# Allegro board 1155000-zp-dic_pda_8ch_board_v002.brd (continued)
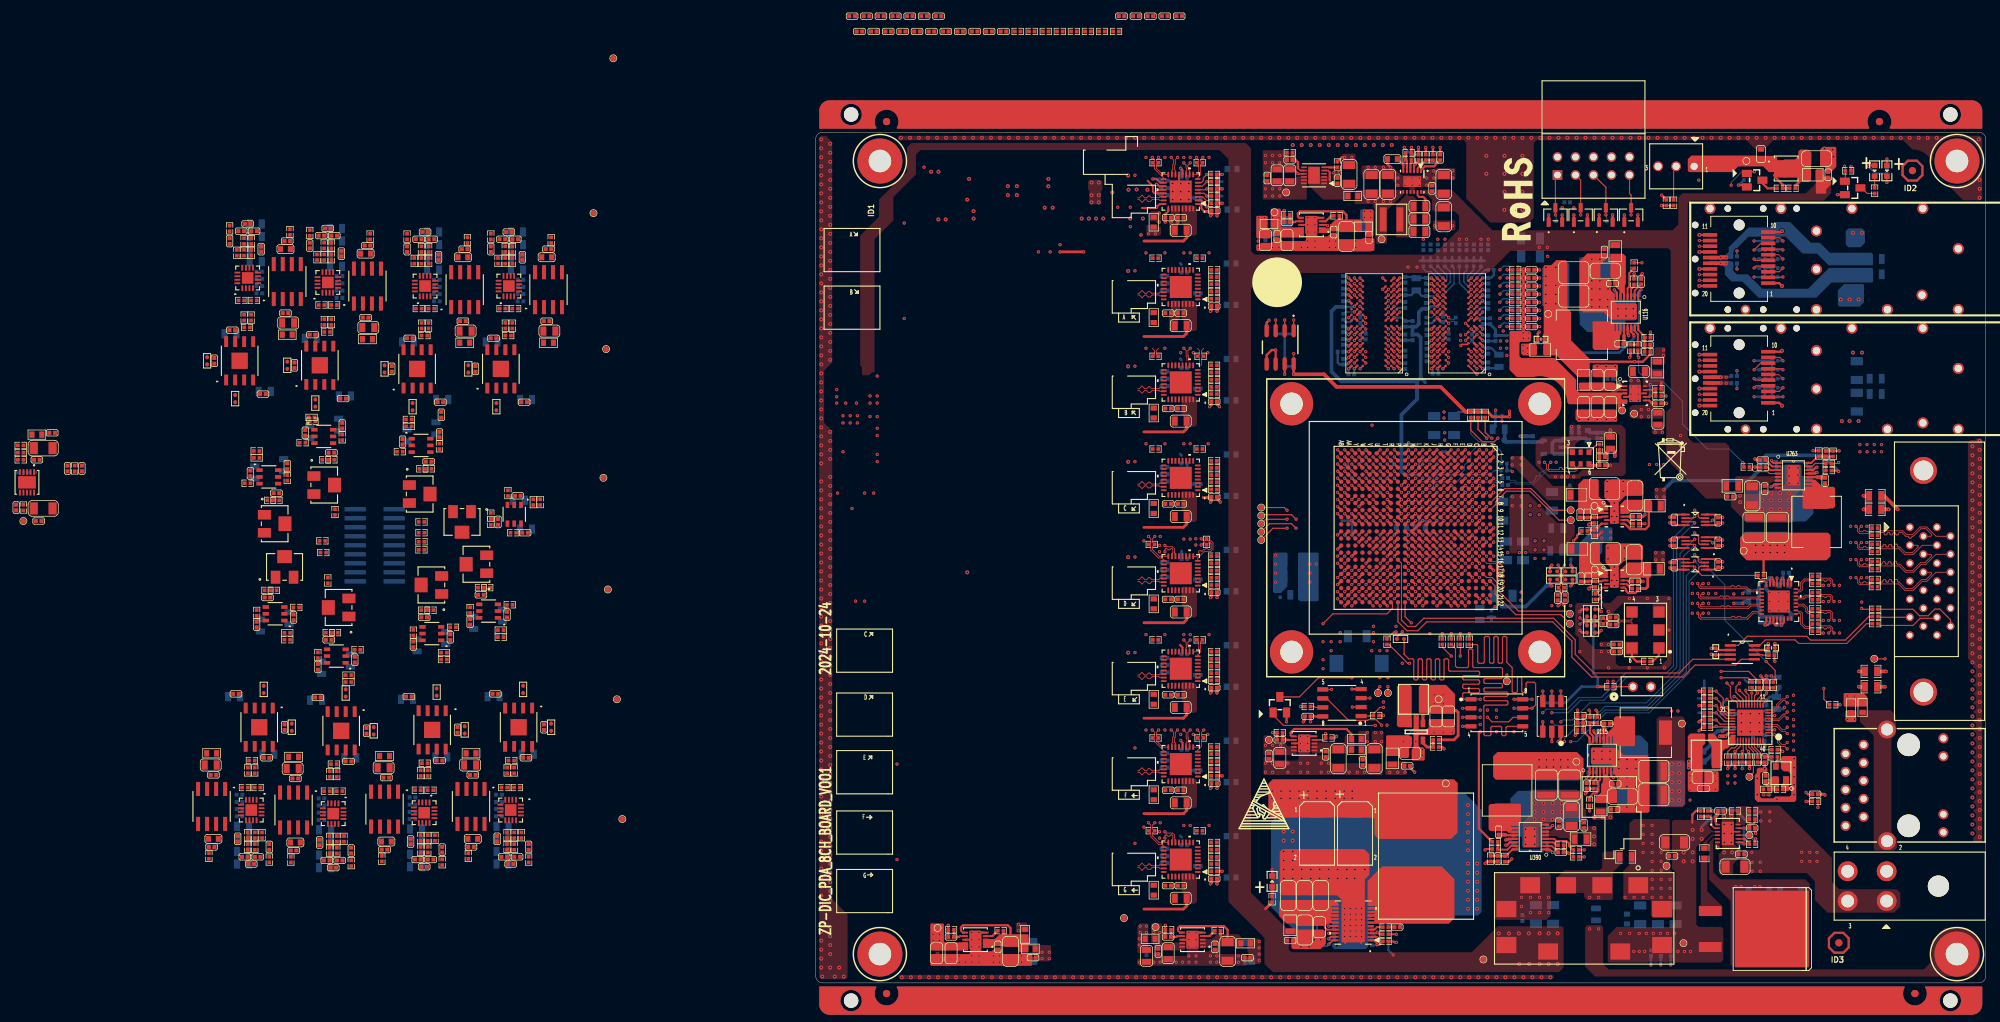
[diagram p0: board, top side]
## Routing (per net, layer and track width the routed paths; a pad name or vN(x,y) marks a point on that pad's centre or on a via; arc(x,y) is an arc through that point) (continued)
ADC3_DATA_P: length 82.5
  TOP w0.102: 52.35,87.79 52.35,88.3 52.24,88.41 52.24,89.19 v1(51.91,89.52) ; U1.G15 v1(89.6,60.19)
  ART03 w0.102: v1(89.6,60.19) 89.31,60.19 89.21,60.29 89.21,60.57 88.98,60.8 73.3,60.8 73.2,60.9 69.32,60.9 68.47,61.75 66.32,61.75 63.55,64.52 63.55,75.69 59.9,79.33 59.9,79.48 60.62,80.19 60.62,80.67 60.1,81.2 59.62,81.2 58.9,80.48 58.75,80.48 58.47,80.77 58.47,80.92 59.57,82.01 59.57,82.49 59.04,83.02 58.56,83.02 57.71,82.17 56.16,82.17 56.05,82.27 56.05,83.77 56.16,83.87 59.17,83.87 59.51,84.21 59.51,85.77 59.17,86.11 56.16,86.11 56.05,86.21 56.05,86.61 57.07,87.63 59.02,87.63 59.36,87.97 59.36,88.59 56.48,91.47 53.52,91.47 52.16,90.11 52.16,89.77 v1(51.91,89.52)
ADC3_DCO_N: length 77.8
  TOP w0.102: U1.D16 v1(92.6,60.19)
  ART03 w0.102: 51.03,89.52 50.89,89.52 50.78,89.62 50.78,89.91 53.05,92.18 57.04,92.18 57.68,91.55 57.68,91.27 57.82,91.12 58.1,91.12 58.25,90.97 58.25,90.69 58.4,90.54 58.68,90.54 58.83,90.4 58.83,90.12 58.97,89.97 59.25,89.97 61.36,87.86 61.36,87.32 61.26,87.22 60.46,87.22 60.12,86.88 60.12,86.14 60.46,85.8 61.26,85.8 61.36,85.69 61.36,85.29 61.26,85.19 60.46,85.19 60.12,84.85 60.12,84.1 60.46,83.76 61.26,83.76 61.36,83.66 61.36,83.26 61.26,83.15 60.58,83.15 60.24,82.82 60.24,82.07 60.58,81.73 61.26,81.73 61.36,81.63 61.36,78.83 64.16,76.03 64.16,64.98 66.15,62.99 66.38,62.99 66.48,62.89 66.48,62.84 66.59,62.74 66.79,62.74 66.89,62.84 66.89,62.89 66.99,62.99 67.2,62.99 67.3,62.89 67.3,62.84 67.4,62.74 67.6,62.74 67.7,62.84 67.7,62.89 67.81,62.99 68.18,62.99 69.68,61.49 73.27,61.49 73.37,61.59 82.37,61.59 83.37,62.59 89.82,62.59 90,62.41 90,60.82 90.23,60.59 92.5,60.59 92.6,60.49 v1(92.6,60.19)
ADC3_DCO_P: length 77.1
  TOP w0.102: U1.D15 v1(92.6,61.19)
  ART03 w0.102: 50.14,89.52 50.38,89.76 50.38,90.08 52.88,92.58 57.21,92.58 61.77,88.03 61.77,87.15 61.43,86.81 60.63,86.81 60.52,86.71 60.52,86.3 60.63,86.2 61.43,86.2 61.77,85.86 61.77,85.12 61.43,84.78 60.63,84.78 60.52,84.68 60.52,84.27 60.63,84.17 61.43,84.17 61.77,83.83 61.77,83.09 61.43,82.75 60.75,82.75 60.65,82.65 60.65,82.24 60.75,82.14 61.43,82.14 61.77,81.8 61.77,78.99 64.56,76.2 64.56,65.15 66.32,63.4 68.35,63.4 69.85,61.9 73.27,61.9 73.37,61.8 82.29,61.8 83.29,62.79 89.91,62.79 90.2,62.5 90.2,60.91 90.32,60.79 92.21,60.79 v1(92.6,61.19)
ADC3_IN+: length 4.3
  TOP w0.102: U372.23 48.53,83.46 48.4,83.58 47.46,83.58 47.17,83.29 46.9,83.29 46.63,83.57 46.4,83.57 46.02,83.19 45.64,83.57 45.41,83.57
ADC3_IN-: length 4.3
  TOP w0.102: 45.41,83.82 45.64,83.82 46.02,84.2 46.4,83.82 46.68,83.82 46.95,84.09 47.12,84.09 47.38,83.84 48.4,83.84 48.53,83.96 U372.22
ADC3_VIO: length 0.3
  BOTTOM w0.381: 51.59,87.86 51.4,88.06
ADC3_VREF: length 7.3
  TOP w0.381: 46.29,77.72 51.86,77.72 52.33,78.19 C3307.1
ADC4_CLK_N: length 60.1
  TOP w0.102: U1.J17 v1(87.6,58.19)
  ART03 w0.102: v1(87.6,58.19) 87.6,58.49 87.5,58.59 87.36,58.59 87.21,58.44 87.21,54.98 87.31,54.88 87.31,54.5 86.66,53.85 86.66,52.2 82.75,48.29 82.75,47.52 81.25,46.02 71.22,46.02 68.88,43.69 65.22,43.69 63.71,45.2 63.71,45.68 64.05,46.02 64.05,46.16 63.77,46.45 63.62,46.45 63.28,46.11 62.8,46.11 62.28,46.64 62.28,47.12 62.93,47.77 62.93,47.92 62.65,48.2 62.5,48.2 61.84,47.55 61.36,47.55 56.49,52.43 55.49,52.43 55.31,52.25 55.08,52.25 54.9,52.43 54.68,52.43 54.5,52.25 54.27,52.25 54.09,52.43 53.86,52.43 53.69,52.25 53.46,52.25 53.28,52.43 52.22,52.43 50.49,50.7 48.84,50.7 48.12,49.98 48.12,49.38 48.36,49.14
ADC4_CLK_P: length 60
  TOP w0.102: U1.J16 v1(87.6,59.19)
  ART03 w0.102: v1(87.6,59.19) 87.6,58.9 87.5,58.79 87.28,58.79 87,58.52 87,54.98 86.9,54.88 86.9,54.66 86.25,54.02 86.25,52.37 82.34,48.45 82.34,47.69 81.08,46.43 71.05,46.43 68.71,44.09 65.39,44.09 64.12,45.37 64.12,45.51 64.46,45.85 64.46,46.33 63.93,46.86 63.45,46.86 63.11,46.52 62.97,46.52 62.68,46.8 62.68,46.95 63.34,47.61 63.34,48.09 62.81,48.61 62.33,48.61 61.68,47.95 61.53,47.95 56.65,52.83 52.05,52.83 50.32,51.1 48.67,51.1 47.71,50.14 47.71,49.38 47.47,49.14
ADC4_CNV_N: length 61.3
  TOP w0.102: U1.G17 v1(89.6,58.19) ; U375.8 53.88,46.29 54.28,46.68 54.28,48.11 R3075.1
  ART03 w0.102: v1(89.6,58.19) 89.31,58.19 89.21,58.09 89.21,52.86 89.31,52.76 89.31,51.54 87.55,49.78 87.55,47.37 84.1,43.92 74.41,43.92 74.04,43.55 74.04,43.4 74.46,42.99 74.46,42.51 73.93,41.98 73.45,41.98 73.03,42.4 72.89,42.4 71.9,41.41 64.38,41.41 63.18,42.61 63.04,42.61 62.63,42.19 62.15,42.19 61.62,42.72 61.62,43.2 62.03,43.61 62.03,43.76 61.74,44.04 61.6,44.04 61.19,43.63 60.71,43.63 60.18,44.16 60.18,44.64 60.59,45.05 60.59,45.19 60.31,45.48 60.16,45.48 59.75,45.07 59.27,45.07 58.74,45.59 58.74,46.07 59.16,46.49 59.16,46.63 57.58,48.21 57.3,48.21 57.15,48.36 57.15,48.64 57,48.78 56.72,48.78 56.58,48.93 56.58,49.21 56.16,49.63 54.45,49.63 54.35,49.53 54.35,49.38 54.59,49.14
ADC4_CNV_P: length 60.9
  TOP w0.102: U375.9 53.95,46.72 54.02,46.79 54.02,48.11 R3075.2 ; U1.H17 v1(88.6,58.19)
  ART03 w0.102: v1(88.6,58.19) 88.9,58.19 89,58.09 89,52.86 88.9,52.76 88.9,51.71 87.14,49.95 87.14,47.54 83.93,44.32 74.24,44.32 73.63,43.71 73.63,43.23 74.05,42.82 74.05,42.67 73.76,42.39 73.62,42.39 73.2,42.8 72.72,42.8 71.73,41.82 64.55,41.82 63.35,43.01 62.87,43.01 62.46,42.6 62.31,42.6 62.03,42.89 62.03,43.03 62.44,43.44 62.44,43.92 61.91,44.45 61.43,44.45 61.02,44.04 60.88,44.04 60.59,44.33 60.59,44.47 61,44.88 61,45.36 60.48,45.89 59.99,45.89 59.58,45.47 59.44,45.47 59.15,45.76 59.15,45.91 59.56,46.32 59.56,46.8 56.32,50.04 54.29,50.04 53.95,49.7 53.95,49.38 53.7,49.14
ADC4_DATA_N: length 59.4
  TOP w0.102: v1(52.82,48.37) 52.82,48.37 52.49,48.04 52.49,47.76 52.61,47.64 52.61,47.4 52.73,47.28 U375.10 ; U1.E19 v1(90.61,56.19)
  ART03 w0.102: v1(90.61,56.19) 90.61,56.49 90.71,56.59 90.85,56.59 91,56.44 91,52.29 88.79,50.08 88.79,47.28 84.13,42.62 77.59,42.62 75.48,40.51 62.76,40.51 61.46,41.81 60.98,41.81 60.55,41.38 60.41,41.38 60.12,41.67 60.12,41.81 60.55,42.24 60.55,42.72 60.02,43.25 59.54,43.25 59.11,42.82 58.97,42.82 58.68,43.11 58.68,43.25 59.11,43.68 59.11,44.16 55.57,47.7 52.67,47.7 52.57,47.8 52.57,48.12 v1(52.82,48.37)
ADC4_DATA_P: length 60.9
  TOP w0.102: v1(51.91,48.37) 52.23,48.06 52.23,47.66 52.35,47.54 52.35,47.4 52.23,47.28 U375.11 ; U1.F18 v1(90.6,57.19)
  ART03 w0.102: v1(90.6,57.19) 90.6,56.9 90.71,56.79 90.93,56.79 91.21,56.52 91.21,51.92 89.2,49.91 89.2,47.11 84.3,42.21 77.76,42.21 75.65,40.11 62.59,40.11 61.29,41.4 61.15,41.4 60.72,40.98 60.24,40.98 59.71,41.5 59.71,41.98 60.14,42.41 60.14,42.55 59.86,42.84 59.71,42.84 59.28,42.41 58.8,42.41 58.28,42.94 58.28,43.42 58.71,43.85 58.71,43.99 55.4,47.29 52.5,47.29 52.16,47.63 52.16,48.13 v1(51.91,48.37)
ADC4_DCO_N: length 58.4
  TOP w0.102: U1.D17 v1(92.6,59.19)
  ART03 w0.102: v1(92.6,59.19) 92.28,59.19 92.18,59.09 92.18,58.86 91.91,58.59 88.39,58.59 88.21,58.41 88.21,52.69 88.31,52.58 88.31,52.26 84.91,48.85 84.91,47.4 84.3,46.79 83.54,46.79 81.71,44.96 73.55,44.96 71.27,42.67 64.59,42.67 56.61,50.65 51.9,50.65 50.77,49.51 50.77,49.39 51.03,49.14
ADC4_DCO_P: length 58.3
  TOP w0.102: U1.E16 v1(91.6,59.19)
  ART03 w0.102: v1(91.6,59.19) 91.88,59.19 91.98,59.09 91.98,58.95 91.83,58.79 88.3,58.79 88.01,58.5 88.01,52.6 87.91,52.5 87.91,52.43 84.5,49.02 84.5,47.57 84.13,47.19 83.37,47.19 81.54,45.36 73.39,45.36 71.1,43.08 64.76,43.08 56.78,51.05 51.74,51.05 50.36,49.68 50.36,49.36 50.14,49.14
ADC4_IN+: length 4.3
  TOP w0.102: 45.41,43.18 45.64,43.18 46.02,42.8 46.4,43.18 46.63,43.18 46.9,42.91 47.17,42.91 47.46,43.2 48.4,43.2 48.53,43.07 U375.23
ADC4_IN-: length 4.3
  TOP w0.102: 45.41,43.43 45.64,43.43 46.02,43.82 46.4,43.43 46.68,43.43 46.95,43.71 47.12,43.71 47.38,43.45 48.4,43.45 48.53,43.57 U375.22
ADC4_VIO: length 1.4
  TOP w0.254: U375.12 51.73,47.34 51.4,47.67
  BOTTOM w0.381: 51.59,47.48 51.4,47.67
ADC4_VREF: length 7.3
  TOP w0.381: C3321.1 52.33,37.81 51.86,37.34 46.29,37.34
ADC5_CLK_N: length 81.9
  TOP w0.102: U1.Y22 v1(75.6,53.19)
  ART08 w0.102: 48.36,102.98 48.12,102.74 48.12,102.25 50.02,100.36 52.85,100.36 53.64,99.57 53.64,92.53 56.26,89.92 56.26,88.49 55.62,87.86 55.21,87.86 54.61,87.26 54.61,77.65 55.16,77.09 55.67,77.09 56.26,76.5 56.26,75.53 54.61,73.88 54.61,63.88 55.44,63.04 55.44,61.25 54.61,60.42 54.61,54.64 57.15,52.1 74.36,52.1 74.46,52.2 74.46,52.22 74.56,52.32 74.76,52.32 74.86,52.22 74.86,52.2 74.97,52.1 75.3,52.1 75.94,52.74 75.94,52.88 76.04,52.98 76.04,53.4 75.85,53.59 75.71,53.59 75.6,53.49 v1(75.6,53.19)
ADC5_CLK_P: length 83.4
  TOP w0.102: U1.Y21 v1(75.6,54.19)
  ART08 w0.102: v1(75.6,54.19) 75.6,53.9 75.71,53.79 75.93,53.79 76.25,53.48 76.25,52.98 76.35,52.88 76.35,52.57 75.47,51.69 56.98,51.69 54.2,54.47 54.2,60.58 55.04,61.42 55.04,62.87 54.2,63.71 54.2,74.05 55.85,75.7 55.85,76.34 55.5,76.68 55,76.68 54.2,77.48 54.2,87.43 55.04,88.27 55.45,88.27 55.85,88.66 55.85,89.75 53.23,92.36 53.23,99.4 52.69,99.95 49.85,99.95 47.71,102.09 47.71,102.74 47.47,102.98
ADC5_CNV_N: length 81.7
  TOP w0.102: U1.AB21 v1(73.6,55.19)
  ART08 w0.102: 54.59,102.98 54.48,102.87 54.48,102.39 54.63,102.24 57.26,102.24 58.26,101.24 58.26,100.03 57.92,99.7 56.23,99.7 56.13,99.59 56.13,98.2 56.23,98.09 57.95,98.09 58.29,97.76 58.29,96.85 57.95,96.51 56.13,96.51 56.03,96.41 56.03,96 56.13,95.9 57.95,95.9 58.29,95.56 58.29,94.1 57.95,93.76 56.87,93.76 56.77,93.66 56.77,93.25 56.87,93.15 57.95,93.15 58.29,92.81 58.29,83.8 57.95,83.46 57.6,83.46 57.5,83.36 57.5,82.95 57.6,82.85 57.95,82.85 58.29,82.51 58.29,79.77 57.95,79.43 57.55,79.43 57.45,79.33 57.45,78.92 57.55,78.82 57.95,78.82 58.29,78.48 58.29,57.96 58.59,57.67 58.73,57.67 59.55,58.48 60.03,58.48 60.56,57.96 60.56,57.48 59.75,56.67 59.75,56.53 61.54,54.74 70.97,54.74 71.13,54.9 73.1,54.9 73.2,54.79 73.77,54.79 73.93,54.95 73.93,55.09 73.83,55.19 v1(73.6,55.19)
ADC5_CNV_P: length 84.3
  TOP w0.102: U1.AA20 v1(74.6,55.19)
  ART08 w0.102: 53.7,102.98 53.97,102.98 54.07,102.88 54.07,102.22 54.46,101.83 54.67,101.83 54.77,101.73 54.77,101.63 54.87,101.52 55.07,101.52 55.18,101.63 55.18,101.73 55.28,101.83 55.48,101.83 55.58,101.73 55.58,101.63 55.68,101.52 55.89,101.52 55.99,101.63 55.99,101.73 56.09,101.83 56.29,101.83 56.39,101.73 56.39,101.63 56.5,101.52 56.7,101.52 56.8,101.63 56.8,101.73 56.9,101.83 57.1,101.83 57.86,101.07 57.86,100.2 57.76,100.1 56.06,100.1 55.72,99.76 55.72,98.03 56.06,97.69 57.78,97.69 57.88,97.59 57.88,97.02 57.78,96.91 55.96,96.91 55.62,96.57 55.62,95.83 55.96,95.49 57.78,95.49 57.88,95.39 57.88,94.27 57.78,94.16 56.7,94.16 56.36,93.82 56.36,93.08 56.7,92.74 57.78,92.74 57.88,92.64 57.88,83.97 57.78,83.87 57.43,83.87 57.1,83.53 57.1,82.78 57.43,82.45 57.78,82.45 57.88,82.34 57.88,79.94 57.78,79.84 57.38,79.84 57.04,79.5 57.04,78.75 57.38,78.41 57.78,78.41 57.88,78.31 57.88,57.79 58.42,57.26 58.9,57.26 59.72,58.08 59.86,58.08 60.15,57.79 60.15,57.65 59.34,56.84 59.34,56.36 61.37,54.33 71.14,54.33 71.3,54.49 73.1,54.49 73.2,54.59 73.86,54.59 74.13,54.86 74.13,55.09 74.23,55.19 v1(74.6,55.19)
ADC5_DATA_N: length 81.3
  TOP w0.102: U1.AB22 v1(73.6,54.19)
  ART08 w0.102: v1(73.6,54.19) 73.88,54.19 73.99,54.09 73.99,53.92 73.44,53.37 69.34,53.37 69.14,53.57 68.94,53.57 68.74,53.37 68.53,53.37 68.33,53.57 68.13,53.57 67.92,53.37 61.39,53.37 60.74,54.01 60.26,54.01 59.39,53.14 59.24,53.14 58.95,53.43 58.95,53.57 59.83,54.45 59.83,54.93 59.3,55.45 58.82,55.45 57.95,54.58 57.81,54.58 57.52,54.87 57.52,55.01 58.39,55.88 58.39,56.36 57.52,57.24 57.04,57.24 56.48,56.68 56.34,56.68 56.05,56.97 56.05,57.11 56.6,57.67 56.6,58.15 56.51,58.24 56.51,61.32 56.61,61.42 56.91,61.42 57.25,61.76 57.25,62.5 56.91,62.84 56.61,62.84 56.51,62.94 56.51,63.35 56.61,63.45 56.91,63.45 57.25,63.79 57.25,64.53 56.91,64.87 55.83,64.87 55.72,64.98 55.72,65.38 55.83,65.48 56.91,65.48 57.25,65.82 57.25,66.57 56.91,66.91 56.61,66.91 56.51,67.01 56.51,74.35 57.27,75.11 57.27,77.01 56.43,77.85 56.43,87.02 57.27,87.86 57.27,90.88 54.68,93.47 54.68,99.97 54.37,100.28 54.37,100.42 54.42,100.47 54.42,100.62 54.28,100.76 54.13,100.76 54.08,100.71 53.94,100.71 53.8,100.85 53.8,101 53.85,101.05 53.85,101.19 53.7,101.33 53.56,101.33 53.51,101.28 53.36,101.28 53.1,101.55 52.68,101.55 52.57,101.65 52.57,101.97 52.82,102.22
ADC5_DATA_P: length 81.5
  TOP w0.102: U1.AA21 v1(74.6,54.19)
  ART08 w0.102: 51.91,102.22 52.16,101.97 52.16,101.49 52.51,101.14 52.93,101.14 54.28,99.8 54.28,93.3 56.87,90.71 56.87,88.03 56.03,87.19 56.03,77.68 56.87,76.84 56.87,75.28 56.1,74.51 56.1,66.84 56.44,66.5 56.74,66.5 56.84,66.4 56.84,65.99 56.74,65.89 55.66,65.89 55.32,65.55 55.32,64.81 55.66,64.47 56.74,64.47 56.84,64.37 56.84,63.96 56.74,63.86 56.44,63.86 56.1,63.52 56.1,62.78 56.44,62.44 56.74,62.44 56.84,62.33 56.84,61.93 56.74,61.83 56.44,61.83 56.1,61.49 56.1,58.07 56.2,57.98 56.2,57.84 55.64,57.28 55.64,56.8 56.17,56.27 56.65,56.27 57.2,56.83 57.35,56.83 57.98,56.19 57.98,56.05 57.11,55.18 57.11,54.7 57.64,54.17 58.12,54.17 58.99,55.04 59.13,55.04 59.42,54.76 59.42,54.61 58.55,53.74 58.55,53.26 59.07,52.73 59.55,52.73 60.43,53.61 60.57,53.61 61.22,52.96 73.61,52.96 74.39,53.75 74.39,53.98 v1(74.6,54.19)
ADC5_DCO_N: length 87.3
  TOP w0.102: U1.Y19 v1(75.6,56.19)
  ART08 w0.102: 51.03,102.98 50.89,102.98 50.67,103.2 50.67,103.71 50.45,103.93 50.45,104.07 50.51,104.13 50.51,104.28 50.36,104.42 50.22,104.42 50.16,104.36 50.02,104.36 49.6,104.78 49.6,105.13 49.7,105.23 49.75,105.23 49.86,105.33 49.86,105.53 49.75,105.64 49.7,105.64 49.6,105.74 49.6,106.07 49.78,106.25 50.87,106.25 50.97,106.15 50.97,105.36 51.96,104.37 52.87,104.37 53.21,104.71 53.21,106.33 53.31,106.43 53.75,106.43 53.85,106.33 53.85,105.15 54.23,104.78 54.82,104.78 56.02,105.97 56.16,105.97 56.45,105.68 56.45,105.54 55.29,104.38 55.29,103.9 55.81,103.37 56.29,103.37 56.59,103.67 56.74,103.67 58.9,101.51 58.9,60.64 61.84,57.7 61.84,57.55 61.1,56.81 61.1,56.33 61.62,55.8 62.1,55.8 62.85,56.55 62.99,56.55 64.05,55.49 73.21,55.49 73.31,55.59 74.1,55.59 75.23,56.72 75.5,56.72 75.6,56.62 v1(75.6,56.19)
ADC5_DCO_P: length 86.9
  TOP w0.102: U1.Y18 v1(75.6,57.19)
  ART08 w0.102: 50.14,102.98 50.26,103.11 50.26,103.54 49.2,104.61 49.2,106.24 49.61,106.65 51.04,106.65 51.38,106.32 51.38,105.53 52.13,104.78 52.7,104.78 52.8,104.88 52.8,106.5 53.14,106.84 53.91,106.84 54.26,106.5 54.26,105.32 54.39,105.18 54.65,105.18 55.85,106.38 56.33,106.38 56.86,105.85 56.86,105.37 55.69,104.21 55.69,104.07 55.98,103.78 56.13,103.78 56.42,104.08 56.9,104.08 59.31,101.68 59.31,60.81 62.25,57.86 62.25,57.38 61.5,56.64 61.5,56.49 61.79,56.21 61.93,56.21 62.68,56.95 63.16,56.95 64.22,55.9 73.29,55.9 73.4,55.79 74.02,55.79 75.15,56.92 75.5,56.92 75.6,57.02 v1(75.6,57.19)
ADC5_IN+: length 4.3
  TOP w0.102: U378.23 48.53,96.92 48.4,97.04 47.46,97.04 47.17,96.75 46.9,96.75 46.63,97.03 46.4,97.03 46.02,96.65 45.64,97.03 45.41,97.03
ADC5_IN-: length 4.3
  TOP w0.102: 45.41,97.28 45.64,97.28 46.02,97.66 46.4,97.28 46.68,97.28 46.95,97.56 47.12,97.56 47.38,97.3 48.4,97.3 48.53,97.42 U378.22
ADC5_VIO: length 0.3
  BOTTOM w0.381: 51.59,101.33 51.4,101.52
ADC5_VREF: length 7.3
  TOP w0.381: C3335.1 52.33,91.65 51.86,91.19 46.29,91.19
ADC6_CLK_N: length 82.5
  TOP w0.102: v1(48.36,35.67) 48.05,35.37 48.05,34.82 R3118.1 48.06,34.28 48.06,34.13 48.93,33.26 U381.16 ; U1.A16 95.35,59.45 95.98,59.45 96.41,59.01 96.72,59.01 96.82,58.91 96.82,58.7 96.72,58.6 96.41,58.6 96.31,58.5 96.31,58.16 96.41,58.06 96.47,58.06 96.57,57.95 96.57,57.75 96.47,57.65 96.41,57.65 96.31,57.55 96.31,57.4 96.57,57.15 96.85,57.15 96.95,57.25 v1(96.95,57.4)
  ART03 w0.102: v1(48.36,35.67) 48.12,35.43 48.12,34.94 49.41,33.66 53.39,33.66 54.02,34.29 55.57,34.29 59.31,30.56 72.83,30.56 73.89,31.62 87.89,31.62 91.72,35.45 91.72,41.88 94.48,44.65 94.48,49.55 96.29,51.35 96.29,54.19 95.98,54.5 95.98,56.89 96.32,57.23 96.77,57.23 v1(96.95,57.4)
ADC6_CLK_P: length 84.6
  TOP w0.102: U1.B16 94.61,59.19 95.87,59.19 96.06,59 96.06,57.3 96.46,56.9 96.82,56.9 96.95,56.77 v1(96.95,56.64) ; U381.17 49.08,32.75 47.8,34.04 47.8,34.27 R3118.2 47.8,34.82 47.8,35.34 v1(47.47,35.67)
  ART03 w0.102: v1(96.95,56.64) 96.77,56.82 96.48,56.82 96.38,56.72 96.38,55.6 96.48,55.5 96.59,55.5 96.69,55.4 96.69,55.2 96.59,55.09 96.48,55.09 96.38,54.99 96.38,54.67 96.69,54.36 96.69,53.97 96.8,53.86 96.87,53.86 96.97,53.76 96.97,53.56 96.87,53.46 96.8,53.46 96.69,53.36 96.69,53.15 96.8,53.05 96.87,53.05 96.97,52.95 96.97,52.75 96.87,52.65 96.8,52.65 96.69,52.54 96.69,52.34 96.8,52.24 96.87,52.24 96.97,52.14 96.97,51.93 96.87,51.83 96.8,51.83 96.69,51.73 96.69,51.18 94.89,49.38 94.89,44.48 92.12,41.72 92.12,35.28 88.06,31.22 74.06,31.22 73,30.15 59.14,30.15 55.4,33.88 54.19,33.88 53.56,33.25 49.24,33.25 47.71,34.78 47.71,35.43 v1(47.47,35.67)
ADC6_CNV_N: length 81
  TOP w0.102: v1(54.72,35.67) 54.4,35.36 54.4,34.82 R3117.1 54.4,34.27 54.4,33.35 53.88,32.83 U381.8 ; U1.A15 v1(95.6,60.19)
  ART03 w0.102: v1(54.72,35.67) 54.5,35.89 54.5,36.22 54.61,36.32 55.78,36.32 56.04,36.06 56.52,36.06 57.23,36.77 57.37,36.77 57.66,36.48 57.66,36.34 56.95,35.63 56.95,35.15 57.48,34.63 57.96,34.63 58.51,35.18 58.66,35.18 58.94,34.89 58.94,34.75 58.39,34.19 58.39,33.71 58.92,33.19 59.4,33.19 60.65,34.44 60.79,34.44 61.08,34.15 61.08,34.01 59.83,32.76 59.83,32.28 60.36,31.75 66.35,31.75 66.69,32.09 66.69,32.79 66.79,32.89 67.2,32.89 67.3,32.79 67.3,32.09 67.64,31.75 72.06,31.75 73.3,32.99 85.05,32.99 85.69,33.63 88.16,33.63 89.32,34.79 89.32,36.25 90.65,37.58 90.65,41.89 93.54,44.79 93.54,49.77 95.21,51.43 95.21,59.79 v1(95.6,60.19)
ADC6_CNV_P: length 81.5
  TOP w0.102: v1(53.83,35.67) 54.15,35.36 54.15,34.82 R3117.2 54.15,34.27 54.15,33.46 53.95,33.26 U381.9 ; U1.B15 v1(94.6,60.19)
  ART03 w0.102: v1(53.83,35.67) 54.1,35.94 54.1,36.39 54.44,36.73 55.95,36.73 56.21,36.47 56.35,36.47 57.06,37.17 57.54,37.17 58.07,36.65 58.07,36.17 57.36,35.46 57.36,35.32 57.65,35.03 57.79,35.03 58.34,35.58 58.82,35.58 59.35,35.06 59.35,34.58 58.8,34.03 58.8,33.88 59.09,33.59 59.23,33.59 60.48,34.84 60.96,34.84 61.49,34.32 61.49,33.84 60.24,32.59 60.24,32.44 60.52,32.16 66.18,32.16 66.28,32.26 66.28,32.96 66.62,33.3 67.37,33.3 67.71,32.96 67.71,32.26 67.81,32.16 71.89,32.16 73.13,33.4 84.88,33.4 85.52,34.04 87.99,34.04 88.92,34.96 88.92,36.42 90.24,37.74 90.24,42.06 93.14,44.96 93.14,49.94 94.29,51.09 94.29,51.23 94.23,51.29 94.23,51.43 94.37,51.58 94.52,51.58 94.57,51.52 94.72,51.52 95,51.81 95,60.09 94.9,60.19 v1(94.6,60.19)
ADC6_DATA_N: length 83.4
  TOP w0.102: v1(52.82,35.67) 52.5,35.35 52.5,34.67 52.61,34.56 52.61,33.94 52.73,33.82 U381.10 ; U1.C15 v1(93.6,60.19)
  ART03 w0.102: v1(93.6,60.19) 93.6,60.43 93.5,60.53 93.36,60.53 93.21,60.38 93.21,53.71 93.31,53.61 93.31,53.41 93.27,53.37 93.27,53.22 93.31,53.18 93.31,51.06 91.74,49.48 91.74,44.76 89.45,42.48 89.45,38.23 86.25,35.03 85.62,35.03 85.06,34.47 76.13,34.47 75.79,34.81 75.79,36.45 75.69,36.55 75.28,36.55 75.18,36.45 75.18,35.32 74.84,34.98 74.1,34.98 73.76,35.32 73.76,36.45 73.66,36.55 73.25,36.55 73.15,36.45 73.15,36 72.81,35.66 72.07,35.66 71.73,36 71.73,36.45 71.62,36.55 71.22,36.55 71.12,36.45 71.12,35.57 70.78,35.23 68.31,35.23 67.97,35.57 67.97,36.27 67.86,36.37 67.46,36.37 67.36,36.27 67.36,35.57 67.02,35.23 65.49,35.23 62.9,37.82 62.39,37.82 62.29,37.72 62.29,36.15 61.95,35.81 61.2,35.81 60.86,36.15 60.86,37.72 60.76,37.82 60.36,37.82 60.25,37.72 60.25,36.53 59.91,36.2 59.17,36.2 58.83,36.53 58.83,37.72 58.73,37.82 54.32,37.82 52.57,36.07 52.57,35.92 v1(52.82,35.67)
ADC6_DATA_P: length 83.8
  TOP w0.102: v1(51.91,35.67) 52.24,35.34 52.24,34.57 52.35,34.45 52.35,33.94 52.23,33.82 U381.11 ; U1.C14 v1(93.6,61.19)
  ART03 w0.102: v1(93.6,61.19) 93.6,60.87 93.47,60.73 93.28,60.73 93,60.46 93,53.71 92.98,53.69 92.98,53.65 92.99,53.64 92.99,53.5 92.9,53.41 92.9,51.22 91.33,49.65 91.33,48.4 91.33,44.93 89.05,42.65 89.05,38.4 86.09,35.43 85.45,35.43 84.89,34.87 76.3,34.87 76.2,34.98 76.2,36.62 75.86,36.96 75.11,36.96 74.77,36.62 74.77,35.48 74.67,35.38 74.27,35.38 74.16,35.48 74.16,36.62 73.82,36.96 73.08,36.96 72.74,36.62 72.74,36.17 72.64,36.07 72.23,36.07 72.13,36.17 72.13,36.62 71.79,36.96 71.05,36.96 70.71,36.62 70.71,35.74 70.61,35.64 68.47,35.64 68.37,35.74 68.37,36.44 68.03,36.78 67.29,36.78 66.95,36.44 66.95,35.74 66.85,35.64 65.66,35.64 63.06,38.23 62.22,38.23 61.88,37.89 61.88,36.32 61.78,36.22 61.37,36.22 61.27,36.32 61.27,37.89 60.93,38.23 60.19,38.23 59.85,37.89 59.85,36.7 59.75,36.6 59.34,36.6 59.24,36.7 59.24,37.89 58.9,38.23 54.15,38.23 52.16,36.24 52.16,35.92 v1(51.91,35.67)
ADC6_DCO_N: length 84.5
  TOP w0.102: v1(91.6,58.19) U1.E18 ; v1(51.03,35.67) 50.71,35.36 50.71,34.66 50.61,34.56 50.61,33.94 50.73,33.82 U381.14
  ART03 w0.102: v1(91.6,58.19) 91.41,58.19 91.21,57.99 91.21,57.56 92.21,56.56 92.21,52.88 92.31,52.78 92.31,51.54 90.47,49.7 90.47,45.52 88.05,43.11 88.05,38.86 85.59,36.39 85.08,36.39 84.25,35.56 81.96,35.56 80.71,36.81 79.54,36.81 79.2,37.15 79.2,39.14 79.1,39.24 78.69,39.24 78.59,39.14 78.59,36.84 78.25,36.5 77.5,36.5 77.16,36.84 77.16,39.14 77.06,39.24 76.66,39.24 76.56,39.14 76.56,37.93 76.22,37.59 74.36,37.59 74.02,37.93 74.02,38.81 73.92,38.91 73.51,38.91 73.41,38.81 73.41,37.93 73.07,37.59 72.33,37.59 71.99,37.93 71.99,38.81 71.89,38.91 71.48,38.91 71.38,38.81 71.38,37.93 71.04,37.59 70.3,37.59 69.96,37.93 69.96,38.81 69.86,38.91 69.45,38.91 69.35,38.81 69.35,37.93 69.01,37.59 67.35,37.59 67.01,37.93 67.01,38.89 66.91,38.99 66.5,38.99 66.4,38.89 66.4,37.93 66.06,37.59 65.31,37.59 63.94,38.96 52.47,38.96 50.78,37.28 50.78,35.92 v1(51.03,35.67)
ADC6_DCO_P: length 84.5
  TOP w0.102: v1(90.61,58.19) U1.E17 ; v1(50.14,35.67) 50.45,35.36 50.45,34.76 50.35,34.66 50.35,33.94 50.23,33.82 U381.15
  ART03 w0.102: v1(90.61,58.19) 90.9,58.19 91,58.09 91,57.47 92,56.47 92,52.97 91.9,52.87 91.9,51.71 90.06,49.87 90.06,45.69 87.65,43.28 87.65,39.03 85.42,36.8 84.91,36.8 84.08,35.97 82.13,35.97 80.88,37.22 79.7,37.22 79.6,37.32 79.6,39.31 79.26,39.65 78.52,39.65 78.18,39.31 78.18,37.01 78.08,36.91 77.67,36.91 77.57,37.01 77.57,39.31 77.23,39.65 76.49,39.65 76.15,39.31 76.15,38.1 76.05,38 74.53,38 74.43,38.1 74.43,38.98 74.09,39.32 73.34,39.32 73,38.98 73,38.1 72.9,38 72.5,38 72.4,38.1 72.4,38.98 72.06,39.32 71.31,39.32 70.97,38.98 70.97,38.1 70.87,38 70.46,38 70.36,38.1 70.36,38.98 70.02,39.32 69.28,39.32 68.94,38.98 68.94,38.1 68.84,38 67.52,38 67.42,38.1 67.42,39.06 67.08,39.4 66.33,39.4 65.99,39.06 65.99,38.1 65.89,38 65.48,38 64.11,39.37 52.3,39.37 50.38,37.44 50.38,35.92 v1(50.14,35.67)
ADC6_IN+: length 4.3
  TOP w0.102: U381.23 48.53,29.61 48.4,29.73 47.46,29.73 47.17,29.44 46.9,29.44 46.63,29.72 46.4,29.72 46.02,29.34 45.64,29.72 45.41,29.72
ADC6_IN-: length 4.3
  TOP w0.102: U381.22 48.53,30.11 48.4,29.99 47.38,29.99 47.12,30.25 46.95,30.25 46.68,29.97 46.4,29.97 46.02,30.35 45.64,29.97 45.41,29.97
ADC6_VIO: length 1.1
  TOP w0.254: U381.12 51.74,33.27 51.74,33.87 51.48,34.12 v1(51.48,34.21)
ADC6_VREF: length 7.3
  TOP w0.381: C3349.1 52.33,24.34 51.86,23.88 46.29,23.88
ADC7_CLK_N: length 84.6
  TOP w0.102: v1(48.36,116.45) 48.05,116.14 48.05,115.97 R3139.1 48.05,115.42 48.05,114.91 48.93,114.03 U384.16 ; U1.AB18 v1(73.6,57.19)
  ART08 w0.102: v1(48.36,116.45) 48.12,116.21 48.12,115.72 49.73,114.1 49.73,110.21 50.15,109.79 50.62,109.32 52.96,109.32 54.63,107.65 57.3,107.65 58.49,106.45 58.49,104.01 60.32,102.18 60.32,61.26 64.22,57.35 66.43,57.35 66.56,57.48 66.84,57.48 66.97,57.35 67.25,57.35 67.37,57.48 67.65,57.48 67.78,57.35 68.06,57.35 68.19,57.48 68.47,57.48 68.59,57.35 70.33,57.35 70.79,56.89 72.97,56.89 73.07,56.79 73.98,56.79 74.08,56.89 74.08,57.09 73.98,57.19 v1(73.6,57.19)
ADC7_CLK_P: length 85.2
  TOP w0.102: U1.AA18 v1(74.6,57.19) ; v1(47.47,116.45) 47.8,116.12 47.8,115.97 R3139.2 47.8,115.42 47.8,114.81 49.08,113.53 U384.17
  ART08 w0.102: v1(74.6,57.19) 74.38,57.19 74.28,57.09 74.28,56.81 74.06,56.59 73.07,56.59 72.97,56.49 70.62,56.49 70.16,56.95 64.06,56.95 59.91,61.09 59.91,102.02 58.09,103.84 58.09,106.28 57.13,107.24 54.46,107.24 52.79,108.92 50.45,108.92 50.06,109.31 49.32,110.04 49.32,113.94 47.71,115.55 47.71,116.21 v1(47.47,116.45)
ADC7_CNV_N: length 80.9
  TOP w0.102: v1(54.59,116.45) 54.28,116.13 54.28,115.97 R3138.1 54.28,115.42 54.28,113.99 53.88,113.6 U384.8 ; U1.AB16 v1(74.6,60.19)
  ART08 w0.102: v1(54.59,116.45) 54.45,116.31 54.45,115.82 54.56,115.72 57.93,115.72 61.82,111.84 61.82,107.67 63.98,105.51 63.98,96.6 63.37,95.99 63.37,66.09 65.15,64.31 65.15,63.83 64.18,62.87 64.18,62.73 64.47,62.44 64.61,62.44 65.58,63.4 66.06,63.4 66.58,62.88 66.58,62.4 65.62,61.43 65.62,61.29 65.91,61 66.05,61 67.01,61.96 67.49,61.96 68.25,61.21 72.46,61.21 72.78,60.9 73.15,60.9 73.25,60.79 74.04,60.79 74.31,60.52 74.31,60.29 74.41,60.19 v1(74.6,60.19)
